# Allegro board 1156197-TDI_VU3P_QSFP28_CXP_V001_1023A-166-20241121_1644_PCB.brd (continued)
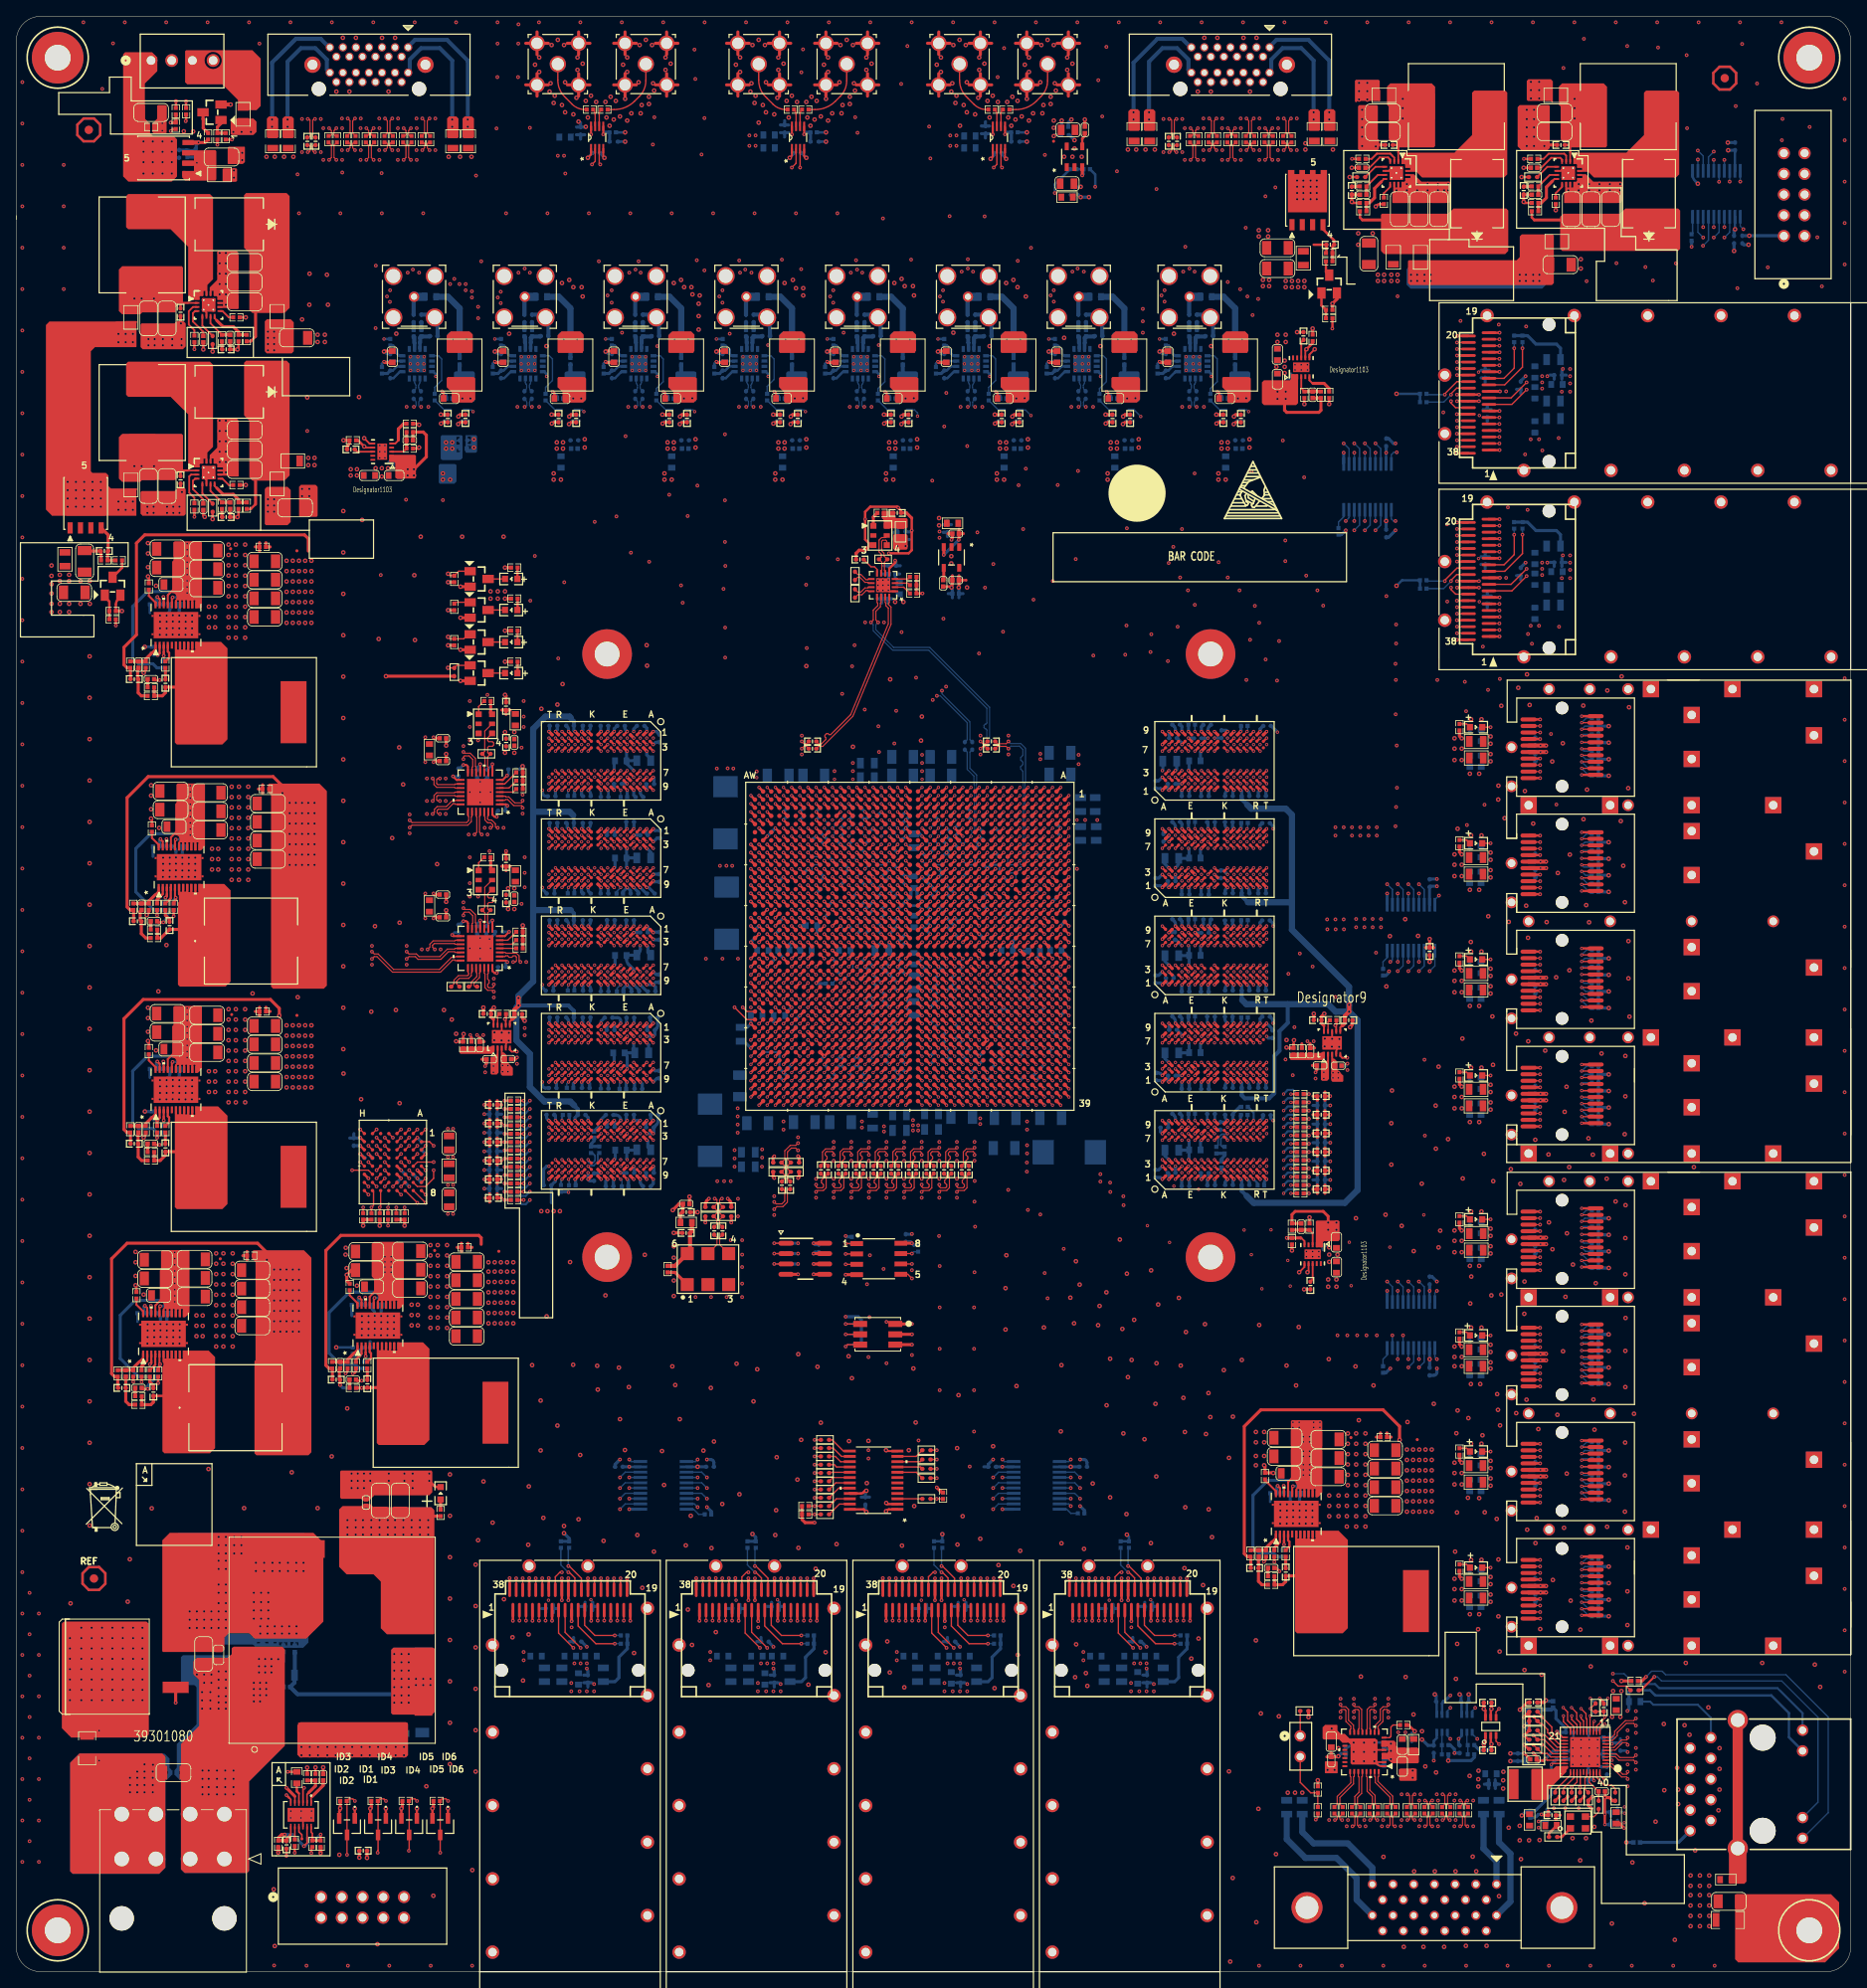
[diagram p0: board, top side]
## Placement (name value [footprint] x y rotation side) (continued)
C97  0.1UF  [C0402_BGA]  103.11 140.86 180 bottom
C98  0.1UF  [C0402_BGA]  100.1 139.86 180 bottom
C99  0.1UF  [C0402_BGA]  100.1 140.86 180 bottom
C100  0.1UF  [C0402_BGA]  107.11 139.86 180 bottom
C101  0.1UF  [C0402_BGA]  107.11 140.86 180 bottom
C102  0.1UF  [C0402_BGA]  113.1 139.86 180 bottom
C103  0.1UF  [C0402_BGA]  117.25 150.46 90 bottom
C104  0.1UF  [C0402_BGA]  113.1 140.86 180 bottom
C105  0.1UF  [C0402_BGA]  116.35 150.46 90 bottom
C106  470uF  [CT7343]  129.16 100.58 0 bottom
C107  470uF  [CT7343]  85.09 103.28 270 bottom
C108  470uF  [CT7343]  87.12 129.92 90 bottom
C109  470uF  [CT7343]  87 142.24 270 bottom
C110  100UF  [C1206]  90.93 104.14 0 bottom
C111  100UF  [C1206]  88.77 108.71 90 bottom
C112  100UF  [C1206]  121.16 101.09 180 bottom
C113  100UF  [C1206]  113.41 149.1 0 bottom
C114  100UF  [C1206]  113.41 146.81 0 bottom
C115  100UF  [C1206]  108.71 146.81 180 bottom
C116  100UF  [C1206]  108.71 149.1 180 bottom
C117  4.7UF  [C0402_BGA]  104.6 139.35 90 bottom
C118  4.7UF  [C0402_BGA]  106.6 112.36 270 bottom
C119  4.7UF  [C0402_BGA]  115.6 112.37 270 bottom
C120  4.7UF  [C0402_BGA]  102.6 111.36 270 bottom
C121  4.7UF  [C0402_BGA]  107.6 138.36 270 bottom
C122  47uF  [C0805]  110.1 138.81 270 bottom
C123  100UF  [C1206]  101.09 104.27 180 bottom
C124  100UF  [C1206]  115.95 104.9 180 bottom
C125  100UF  [C1206]  128.02 146.94 0 bottom
C126  100UF  [C1206]  128.02 149.61 0 bottom
C127  100UF  [C1206]  97.82 146.81 180 bottom
C128  100UF  [C1206]  126.87 104.78 0 bottom
C129  100UF  [C1206]  93.45 146.81 0 bottom
C130  100UF  [C1206]  96.65 104.27 0 bottom
C131  100UF  [C1206]  121.28 104.78 180 bottom
C132  4.7UF  [C0402_BGA]  116.6 112.33 90 bottom
C133  4.7UF  [C0402_BGA]  115.6 140.33 90 bottom
C134  4.7UF  [C0402_BGA]  103.1 138.86 180 bottom
C135  4.7UF  [C0402_BGA]  103.6 111.36 270 bottom
C136  4.7UF  [C0402_BGA]  112.6 112.36 270 bottom
C137  47uF  [C0805]  110.1 121.41 90 bottom
C138  47uF  [C0805]  106.17 125.36 0 bottom
C139  4.7UF  [C0402_BGA]  113.6 134.36 270 bottom
C140  4.7UF  [C0402_BGA]  107.6 128.36 90 bottom
C141  4.7UF  [C0402_BGA]  111.6 123.35 90 bottom
C142  4.7UF  [C0402_BGA]  107.6 132.36 90 bottom
C143  4.7UF  [C0402_BGA]  113.6 123.35 90 bottom
C144  4.7UF  [C0402_BGA]  112.6 132.35 270 bottom
C145  4.7UF  [C0402_BGA]  104.6 134.36 90 bottom
C146  4.7UF  [C0402_BGA]  114.6 132.35 270 bottom
C147  4.7UF  [C0402_BGA]  113.6 130.36 270 bottom
C148  4.7UF  [C0402_BGA]  108.6 134.36 90 bottom
C149  4.7UF  [C0402_BGA]  93.6 110.36 270 bottom
C150  4.7UF  [C0402_BGA]  124.1 109.86 180 bottom
C151  4.7UF  [C0402_BGA]  117.6 110.36 270 bottom
C152  4.7UF  [C0402_BGA]  107.6 110.36 90 bottom
C153  4.7UF  [C0402_BGA]  102.6 109.36 270 bottom
C154  4.7UF  [C0402_BGA]  100.6 109.36 270 bottom
C155  4.7UF  [C0402_BGA]  96.6 110.36 270 bottom
C156  4.7UF  [C0402_BGA]  114.6 141.35 90 bottom
C157  4.7UF  [C0402_BGA]  122.6 141.35 90 bottom
C158  4.7UF  [C0402_BGA]  96.6 142.35 90 bottom
C159  0.47UF  [C0402_BGA]  112.6 110.36 270 bottom
C160  0.47UF  [C0402_BGA]  127.13 112.86 180 bottom
C161  0.47UF  [C0402_BGA]  98.6 110.36 270 bottom
C162  0.47UF  [C0402_BGA]  112.6 142.35 90 bottom
C163  0.47UF  [C0402_BGA]  120.6 141.35 90 bottom
C164  0.47UF  [C0402_BGA]  127.6 140.35 90 bottom
C165  0.47UF  [C0402_BGA]  94.6 142.35 90 bottom
C166  0.47UF  [C0402_BGA]  101.6 142.35 90 bottom
C167  0.47UF  [C0402_BGA]  98.6 142.35 90 bottom
C168  0.47UF  [C0402_BGA]  102.6 142.35 90 bottom
C169  0.22UF  [C0402_BGA]  125.6 139.35 90 bottom
C170  0.22UF  [C0402_BGA]  120.6 110.36 90 bottom
C171  0.22UF  [C0402_BGA]  114.6 110.36 90 bottom
C172  0.22UF  [C0402_BGA]  124.6 141.36 270 bottom
C173  0.22UF  [C0402_BGA]  125.6 110.35 90 bottom
C174  0.22UF  [C0402_BGA]  94.6 110.36 270 bottom
C175  0.22UF  [C0402_BGA]  116.6 142.35 270 bottom
C176  0.22UF  [C0402_BGA]  118.6 141.36 270 bottom
C177  0.22UF  [C0402_BGA]  106.6 110.36 90 bottom
C178  0.22UF  [C0402_BGA]  118.6 110.36 90 bottom
C179  0.47UF  [C0402_BGA]  111.6 134.36 90 bottom
C180  0.47UF  [C0402_BGA]  106.6 123.35 90 bottom
C181  0.47UF  [C0402_BGA]  105.6 132.36 90 bottom
C182  0.47UF  [C0402_BGA]  112.6 121.35 90 bottom
C183  0.47UF  [C0402_BGA]  105.11 136.86 180 bottom
C184  0.47UF  [C0402_BGA]  106.6 134.36 270 bottom
C185  0.47UF  [C0402_BGA]  108.6 123.35 90 bottom
C186  0.47UF  [C0402_BGA]  114.6 128.35 270 bottom
C187  0.47UF  [C0402_BGA]  112.6 128.35 90 bottom
C188  0.47UF  [C0402_BGA]  104.6 123.36 90 bottom
C189  4.7UF  [C0402_BGA]  100.1 138.86 0 bottom
C190  4.7UF  [C0402_BGA]  103.6 109.39 270 bottom
C191  4.7UF  [C0402_BGA]  119.6 110.36 270 bottom
C192  4.7UF  [C0402_BGA]  117.6 112.36 270 bottom
C193  4.7UF  [C0402_BGA]  104.6 110.36 270 bottom
C194  4.7UF  [C0402_BGA]  108.6 112.36 270 bottom
C195  4.7UF  [C0402_BGA]  101.6 111.35 270 bottom
C196  4.7UF  [C0402_BGA]  98.6 139.36 270 bottom
C197  4.7UF  [C0402_BGA]  99.6 110.36 270 bottom
C198  4.7UF  [C0402_BGA]  104.6 112.35 90 bottom
C199  0.47UF  [C0402_BGA]  118.6 112.36 270 bottom
C200  0.47UF  [C0402_BGA]  108.6 141.35 90 bottom
C201  0.47UF  [C0402_BGA]  118.6 139.35 90 bottom
C202  0.47UF  [C0402_BGA]  100.6 111.35 270 bottom
C203  0.47UF  [C0402_BGA]  114.6 112.37 90 bottom
C204  0.47UF  [C0402_BGA]  108.6 139.35 90 bottom
C205  0.47UF  [C0402_BGA]  119.6 112.36 90 bottom
C206  0.47UF  [C0402_BGA]  108.6 110.36 270 bottom
C207  0.47UF  [C0402_BGA]  99.1 111.86 180 bottom
C208  0.47UF  [C0402_BGA]  105.6 139.35 90 bottom
C209  0.22UF  [C0402_BGA]  105.11 141.86 180 bottom
C210  0.22UF  [C0402_BGA]  101.6 140.35 270 bottom
C211  0.22UF  [C0402_BGA]  103.6 142.35 270 bottom
C212  0.22UF  [C0402_BGA]  109.6 141.35 90 bottom
C213  0.22UF  [C0402_BGA]  120.6 139.35 90 bottom
C214  0.22UF  [C0402_BGA]  101.6 138.36 90 bottom
C215  0.22UF  [C0402_BGA]  114.6 139.36 270 bottom
C216  0.22UF  [C0402_BGA]  113.6 112.37 90 bottom
C217  0.22UF  [C0402_BGA]  105.6 112.36 90 bottom
C218  0.22UF  [C0402_BGA]  119.6 139.35 90 bottom
C219  47uF  [C0805]  110.1 118.24 90 bottom
C220  47uF  [C0805]  112.27 103.38 0 bottom
C221  4.7UF  [C0402_BGA]  115.6 114.36 90 bottom
C222  4.7UF  [C0402_BGA]  112.6 119.36 90 bottom
C223  4.7UF  [C0402_BGA]  113.6 114.35 90 bottom
C224  4.7UF  [C0402_BGA]  107.6 116.35 90 bottom
C225  0.47UF  [C0402_BGA]  114.6 119.36 270 bottom
C226  0.47UF  [C0402_BGA]  104.6 114.36 90 bottom
C227  0.47UF  [C0402_BGA]  105.6 116.35 90 bottom
C228  0.47UF  [C0402_BGA]  104.6 119.35 90 bottom
C229  47uF  [C0805]  112.27 105.28 0 bottom
C230  47uF  [C0805]  108.33 105.16 180 bottom
C231  4.7UF  [C0402_BGA]  106.6 114.35 90 bottom
C232  4.7UF  [C0402_BGA]  108.6 114.35 90 bottom
C233  4.7UF  [C0402_BGA]  106.6 119.36 90 bottom
C234  4.7UF  [C0402_BGA]  112.6 116.36 270 bottom
C235  47uF  [C0805]  105.03 104.39 90 bottom
C236  4.7UF  [C0402_BGA]  65.41 120.4 180 bottom
C237  0.1UF  [C0402_BGA]  76.99 127.56 180 bottom
C238  47uF  [C0805]  76.96 124.76 180 bottom
C239  22uF  [C0603]  74.14 124.74 0 bottom
C240  4.7UF  [C0402_BGA]  78.87 110.11 90 bottom
C241  4.7UF  [C0402_BGA]  69.98 120.4 0 bottom
C242  0.47UF  [C0402_BGA]  65.89 129.06 180 bottom
C243  0.47UF  [C0402_BGA]  72.92 129.08 180 bottom
C244  0.47UF  [C0402_BGA]  78.87 127.13 270 bottom
C245  0.47UF  [C0402_BGA]  72.16 120.32 0 bottom
C246  68nF  [C0402_BGA]  75.29 129.06 180 bottom
C247  68nF  [C0402_BGA]  72.9 115.57 180 bottom
C248  68nF  [C0402_BGA]  69.95 129.06 0 bottom
C249  68nF  [C0402_BGA]  75.92 120.32 180 bottom
C250  0.1UF  [C0402_BGA]  67.92 129.06 180 bottom
C251  47uF  [C0805]  76.96 136.7 180 bottom
C252  22uF  [C0603]  74.14 136.68 0 bottom
C253  4.7UF  [C0402_BGA]  69.98 132.33 0 bottom
C254  4.7UF  [C0402_BGA]  75.82 132.33 180 bottom
C255  0.47UF  [C0402_BGA]  72.14 132.33 0 bottom
C256  0.47UF  [C0402_BGA]  72.92 139.5 180 bottom
C257  0.47UF  [C0402_BGA]  65.89 141 180 bottom
C258  0.47UF  [C0402_BGA]  78.97 139.6 270 bottom
C259  68nF  [C0402_BGA]  77.83 132.33 180 bottom
C260  68nF  [C0402_BGA]  75.29 141.12 180 bottom
C261  68nF  [C0402_BGA]  78.87 134.24 90 bottom
C262  68nF  [C0402_BGA]  69.95 141 0 bottom
C263  4.7UF  [C0402_BGA]  65.53 132.33 180 bottom
C264  0.1UF  [C0402_BGA]  76.99 139.5 180 bottom
C265  0.1UF  [C0402_BGA]  67.92 141 180 bottom
C266  47uF  [C0805]  76.96 100.89 180 bottom
C267  22uF  [C0603]  74.17 100.84 0 bottom
C268  4.7UF  [C0402_BGA]  77.72 98.04 0 bottom
C269  4.7UF  [C0402_BGA]  70.87 97.54 270 bottom
C270  0.47UF  [C0402_BGA]  65.51 105.18 180 bottom
C271  0.47UF  [C0402_BGA]  72.92 103.68 180 bottom
C272  0.47UF  [C0402_BGA]  72.77 96.39 180 bottom
C273  0.47UF  [C0402_BGA]  78.28 105.18 0 bottom
C274  68nF  [C0402_BGA]  77.34 96.39 180 bottom
C275  68nF  [C0402_BGA]  72.77 105.16 0 bottom
C276  68nF  [C0402_BGA]  75.31 98.04 0 bottom
C277  68nF  [C0402_BGA]  75.29 105.18 180 bottom
C278  4.7UF  [C0402_BGA]  65.15 96.52 180 bottom
C279  0.1UF  [C0402_BGA]  77.72 103.63 0 bottom
C280  4.7UF  [C0402_BGA]  65.66 144.27 180 bottom
C281  0.1UF  [C0402_BGA]  76.58 152.91 180 bottom
C282  0.1UF  [C0402_BGA]  69.34 105.16 0 bottom
C283  0.1UF  [C0402_BGA]  67.92 152.93 180 bottom
C284  47uF  [C0805]  76.96 148.64 180 bottom
C285  22uF  [C0603]  74.14 148.62 0 bottom
C286  4.7UF  [C0402_BGA]  69.98 144.27 0 bottom
C287  4.7UF  [C0402_BGA]  77.75 145.77 0 bottom
C288  0.47UF  [C0402_BGA]  72.14 152.91 0 bottom
C289  0.47UF  [C0402_BGA]  72.16 144.2 0 bottom
C290  0.47UF  [C0402_BGA]  78.87 151.38 270 bottom
C291  0.47UF  [C0402_BGA]  65.89 152.93 180 bottom
C292  68nF  [C0402_BGA]  73.79 145.8 0 bottom
C293  68nF  [C0402_BGA]  76.43 144.17 0 bottom
C294  68nF  [C0402_BGA]  74.17 152.91 0 bottom
C295  68nF  [C0402_BGA]  69.95 152.93 0 bottom
C296  47uF  [C0805]  76.71 112.78 180 bottom
C297  22uF  [C0603]  73.91 112.78 0 bottom
C298  4.7UF  [C0402_BGA]  77.93 120.32 180 bottom
C299  4.7UF  [C0402_BGA]  69.85 108.46 0 bottom
C300  0.47UF  [C0402_BGA]  65.89 117.12 180 bottom
C301  0.47UF  [C0402_BGA]  72.64 117.09 0 bottom
C302  0.47UF  [C0402_BGA]  72.16 108.38 0 bottom
C303  0.47UF  [C0402_BGA]  78.2 117.12 0 bottom
C304  68nF  [C0402_BGA]  76.3 108.36 0 bottom
C305  68nF  [C0402_BGA]  69.95 117.12 0 bottom
C306  68nF  [C0402_BGA]  78.87 121.92 90 bottom
C307  68nF  [C0402_BGA]  75.31 117.09 180 bottom
C308  4.7UF  [C0402_BGA]  58.52 105.26 180 bottom
C309  4.7UF  [C0402_BGA]  58.52 102.97 180 bottom
C310  4.7UF  [C0402_BGA]  58.52 106.4 180 top
C311  4.7UF  [C0402_BGA]  58.52 97.26 180 top
C312  0.1UF  [C0402_BGA]  58.52 94.97 180 top
C313  4.7UF  [C0402_BGA]  57.76 117.55 0 top
C314  0.1UF  [C0402_BGA]  58.52 98.4 180 bottom
C315  1000PF  [C0402]  56.85 113.74 270 top
C316  0.1UF  [C0402_BGA]  58.52 104.11 180 top
C317  0.1UF  [C0402_BGA]  58.52 96.11 180 bottom
C318  0.1UF  [C0402_BGA]  58.52 100.69 180 bottom
C319  0.1UF  [C0402_BGA]  58.52 101.83 180 top
C320  0.1UF  [C0402_BGA]  58.52 99.54 180 top
C321  10uF  [C0402]  60.3 111.96 0 bottom
C322  10uF  [C0402]  60.3 112.01 0 top
C323  10uF  [C0402]  58.06 111.99 180 bottom
C324  10uF  [C0402]  58.06 111.99 180 top
C325  4.7UF  [C0402_BGA]  65.79 108.46 180 bottom
C326  0.1UF  [C0402_BGA]  77.85 115.57 0 bottom
C327  0.1UF  [C0402_BGA]  61.57 117.55 0 top
C328  0.1UF  [C0402_BGA]  67.92 117.12 180 bottom
C329  10nF  [C0402]  70.87 102.74 90 bottom
C330  4.7UF  [C0402_BGA]  153.29 129.03 0 bottom
C331  0.1UF  [C0402_BGA]  141.48 121.95 0 bottom
C332  47uF  [C0805]  141.73 124.71 0 bottom
C333  22uF  [C0603]  144.55 124.74 180 bottom
C334  4.7UF  [C0402_BGA]  148.72 129.03 180 bottom
C335  4.7UF  [C0402_BGA]  142.11 127.13 270 bottom
C336  0.47UF  [C0402_BGA]  145.77 120.27 0 bottom
C337  0.47UF  [C0402_BGA]  139.73 121.82 90 bottom
C338  0.47UF  [C0402_BGA]  145.8 127.51 0 bottom
C339  0.47UF  [C0402_BGA]  152.81 120.42 0 bottom
C340  68nF  [C0402_BGA]  148.74 120.42 180 bottom
C341  68nF  [C0402_BGA]  143.41 120.29 0 bottom
C342  68nF  [C0402_BGA]  142.27 129.18 180 bottom
C343  68nF  [C0402_BGA]  146.08 129.16 0 bottom
C344  0.1UF  [C0402_BGA]  150.77 120.42 0 bottom
C345  47uF  [C0805]  141.73 136.65 0 bottom
C346  22uF  [C0603]  144.55 136.68 180 bottom
C347  4.7UF  [C0402_BGA]  140.69 139.17 270 bottom
C348  4.7UF  [C0402_BGA]  148.72 141.1 180 bottom
C349  0.47UF  [C0402_BGA]  145.8 132.21 0 bottom
C350  0.47UF  [C0402_BGA]  146.53 141.1 180 bottom
C351  0.47UF  [C0402_BGA]  139.73 133.76 90 bottom
C352  0.47UF  [C0402_BGA]  152.81 132.36 0 bottom
C353  68nF  [C0402_BGA]  142.27 141.12 180 bottom
C354  68nF  [C0402_BGA]  143.41 132.23 0 bottom
C355  68nF  [C0402_BGA]  148.74 132.36 180 bottom
C356  68nF  [C0402_BGA]  147.75 134.69 90 bottom
C357  4.7UF  [C0402_BGA]  153.29 140.97 0 bottom
C358  0.1UF  [C0402_BGA]  141.71 133.86 0 bottom
C359  0.1UF  [C0402_BGA]  150.77 132.36 0 bottom
C360  47uF  [C0805]  141.73 112.78 0 bottom
C361  22uF  [C0603]  144.55 112.8 180 bottom
C362  4.7UF  [C0402_BGA]  141.88 115.6 0 bottom
C363  4.7UF  [C0402_BGA]  148.72 117.22 180 bottom
C364  0.47UF  [C0402_BGA]  152.81 108.48 0 bottom
C365  0.47UF  [C0402_BGA]  146.53 117.22 180 bottom
C366  0.47UF  [C0402_BGA]  145.8 108.33 0 bottom
C367  0.47UF  [C0402_BGA]  139.83 109.86 90 bottom
C368  68nF  [C0402_BGA]  142.27 117.25 180 bottom
C369  68nF  [C0402_BGA]  148.74 108.48 180 bottom
C370  68nF  [C0402_BGA]  154.08 115.06 270 bottom
C371  68nF  [C0402_BGA]  143.41 108.36 0 bottom
C372  4.7UF  [C0402_BGA]  153.29 117.22 0 bottom
C373  0.1UF  [C0402_BGA]  141.73 109.98 0 bottom
C374  4.7UF  [C0402_BGA]  153.42 152.91 0 bottom
C375  0.1UF  [C0402_BGA]  141.71 145.8 0 bottom
C376  0.1UF  [C0402_BGA]  150.77 108.48 0 bottom
C377  0.1UF  [C0402_BGA]  150.77 144.3 0 bottom
C378  47uF  [C0805]  141.48 148.59 180 bottom
C379  22uF  [C0603]  144.55 148.62 180 bottom
C380  4.7UF  [C0402_BGA]  141.88 151.41 0 bottom
C381  4.7UF  [C0402_BGA]  147.83 151.89 90 bottom
C382  0.47UF  [C0402_BGA]  139.73 145.69 90 bottom
C383  0.47UF  [C0402_BGA]  144.91 151.38 180 bottom
C384  0.47UF  [C0402_BGA]  152.81 144.3 0 bottom
C385  0.47UF  [C0402_BGA]  145.8 144.27 0 bottom
C386  68nF  [C0402_BGA]  148.74 144.3 180 bottom
C387  68nF  [C0402_BGA]  142.27 153.06 180 bottom
C388  68nF  [C0402_BGA]  146.05 153.03 0 bottom
C389  68nF  [C0402_BGA]  143.41 144.3 0 bottom
C390  47uF  [C0805]  141.73 100.84 0 bottom
C391  22uF  [C0603]  144.55 100.86 180 bottom
C392  4.7UF  [C0402_BGA]  140.82 103.61 180 bottom
C393  4.7UF  [C0402_BGA]  148.74 105.18 180 bottom
C394  0.47UF  [C0402_BGA]  146.53 105.28 180 bottom
C395  0.47UF  [C0402_BGA]  145.77 98.04 0 bottom
C396  0.47UF  [C0402_BGA]  146.56 96.52 180 bottom
C397  0.47UF  [C0402_BGA]  139.73 97.94 90 bottom
C398  68nF  [C0402_BGA]  143.41 96.42 0 bottom
C399  68nF  [C0402_BGA]  142.27 105.31 180 bottom
C400  68nF  [C0402_BGA]  147.7 103.81 90 bottom
C401  68nF  [C0402_BGA]  148.74 96.55 180 bottom
C402  4.7UF  [C0402_BGA]  160.05 105.18 0 top
C403  4.7UF  [C0402_BGA]  160.05 96.04 0 top
C404  4.7UF  [C0402_BGA]  160.05 99.47 0 bottom
C405  4.7UF  [C0402_BGA]  160.05 97.18 0 bottom
C406  0.1UF  [C0402_BGA]  160.05 101.75 0 bottom
C407  4.7UF  [C0402_BGA]  159.61 116.79 0 top
C408  0.1UF  [C0402_BGA]  160.05 106.32 0 bottom
C409  1000PF  [C0402]  158.7 112.98 270 top
C410  0.1UF  [C0402_BGA]  160.05 104.04 0 bottom
C411  0.1UF  [C0402_BGA]  160.05 100.61 0 top
C412  0.1UF  [C0402_BGA]  160.05 107.47 0 top
C413  0.1UF  [C0402_BGA]  160.05 102.9 0 top
C414  0.1UF  [C0402_BGA]  160.05 98.32 0 top
C415  10uF  [C0402]  162.15 111.2 0 bottom
C416  10uF  [C0402]  162.15 111.2 0 top
C417  10uF  [C0402]  159.92 111.23 180 bottom
C418  10uF  [C0402]  159.92 111.23 180 top
C419  4.7UF  [C0402_BGA]  153.39 105.13 0 bottom
C420  0.1UF  [C0402_BGA]  141.71 98.04 0 bottom
C421  0.1UF  [C0402_BGA]  163.42 116.79 0 top
C422  0.1UF  [C0402_BGA]  150.77 96.55 0 bottom
C423  10nF  [C0402]  147.83 99.09 270 bottom
C424  0.1UF  [C0402_BGA]  186.31 45.82 270 bottom
C425  22uF  [C0603]  179.66 62.85 90 bottom
C426  0.1UF  [C0402_BGA]  186.31 62.09 90 bottom
C427  22uF  [C0603]  178.29 88.15 270 bottom
C428  0.1UF  [C0402_BGA]  178.26 48.5 90 bottom
C429  22uF  [C0603]  179.66 48.63 90 bottom
C430  0.1UF  [C0402_BGA]  186.31 47.84 90 bottom
C431  22uF  [C0603]  179.66 45.46 270 bottom
C432  22uF  [C0603]  178.26 73.9 270 bottom
C433  0.1UF  [C0402_BGA]  178.29 91.2 90 bottom
C434  22uF  [C0603]  179.66 59.68 270 bottom
C435  0.1UF  [C0402_BGA]  186.31 60.06 270 bottom
C436  0.1UF  [C0402_BGA]  173.35 73.66 270 bottom
C437  0.1UF  [C0402_BGA]  173.35 84.84 90 bottom
C438  22uF  [C0603]  178.26 59.68 270 bottom
C439  0.1UF  [C0402_BGA]  178.26 76.95 90 bottom
C440  22uF  [C0603]  179.66 77.08 90 bottom
C441  0.1UF  [C0402_BGA]  186.31 76.34 90 bottom
C442  22uF  [C0603]  179.66 73.9 270 bottom
C443  0.1UF  [C0402_BGA]  186.31 74.31 270 bottom
C444  22uF  [C0603]  178.26 45.46 270 bottom
C445  0.1UF  [C0402_BGA]  178.26 62.73 90 bottom
C446  22uF  [C0603]  179.69 91.33 90 bottom
C447  0.1UF  [C0402_BGA]  186.31 90.59 90 bottom
C448  22uF  [C0603]  179.69 88.15 270 bottom
C449  0.1UF  [C0402_BGA]  186.31 88.57 270 bottom
C450  22uF  [C0603]  178.26 134.31 270 bottom
C451  0.1UF  [C0402_BGA]  178.26 123.13 90 bottom
C452  22uF  [C0603]  179.66 109.04 90 bottom
C453  22uF  [C0603]  178.26 120.09 270 bottom
C454  0.1UF  [C0402_BGA]  186.31 122.5 90 bottom
C455  0.1UF  [C0402_BGA]  186.31 108.25 90 bottom
C456  22uF  [C0603]  179.66 105.86 270 bottom
C457  0.1UF  [C0402_BGA]  186.31 106.22 270 bottom
C458  0.1UF  [C0402_BGA]  178.29 151.61 90 bottom
C459  22uF  [C0603]  179.66 123.26 90 bottom
C460  0.1UF  [C0402_BGA]  173.35 125.22 90 top
C461  0.1UF  [C0402_BGA]  173.35 133.6 90 bottom
C462  22uF  [C0603]  179.66 120.09 270 bottom
C463  0.1UF  [C0402_BGA]  186.31 120.47 270 bottom
C464  22uF  [C0603]  178.29 148.56 270 bottom
C465  0.1UF  [C0402_BGA]  178.26 137.36 90 bottom
C466  22uF  [C0603]  179.66 137.49 90 bottom
C467  0.1UF  [C0402_BGA]  186.31 136.75 90 bottom
C468  22uF  [C0603]  179.66 134.31 270 bottom
C469  0.1UF  [C0402_BGA]  186.31 134.72 270 bottom
C470  22uF  [C0603]  178.26 105.86 270 bottom
C471  0.1UF  [C0402_BGA]  178.26 108.91 90 bottom
C472  22uF  [C0603]  179.69 151.74 90 bottom
C473  0.1UF  [C0402_BGA]  186.31 151 90 bottom
C474  22uF  [C0603]  179.69 148.56 270 bottom
C475  0.1UF  [C0402_BGA]  186.31 148.97 270 bottom
C476  22uF  [C0603]  188.98 194.82 180 bottom
C477  0.1UF  [C0402_BGA]  189.1 195.96 180 bottom
C478  22uF  [C0603]  186.26 193.8 90 bottom
C479  0.1UF  [C0402_BGA]  184.53 194.69 90 bottom
C480  22uF  [C0603]  186.26 196.34 270 bottom
C481  0.1UF  [C0402_BGA]  180.17 196.08 90 bottom
C482  0.1UF  [C0402_BGA]  168.02 176.53 270 bottom
C483  22uF  [C0603]  186.26 189.61 270 bottom
C484  0.1UF  [C0402_BGA]  180.43 191.26 270 bottom
C485  0.1UF  [C0402_BGA]  168.02 187.71 90 bottom
C486  22uF  [C0603]  188.98 171.83 180 bottom
C487  0.1UF  [C0402_BGA]  189.1 172.97 180 bottom
C488  22uF  [C0603]  186.26 170.91 90 bottom
C489  0.1UF  [C0402_BGA]  184.53 171.83 90 bottom
C490  22uF  [C0603]  186.26 173.45 270 bottom
C491  0.1UF  [C0402_BGA]  180.17 173.2 90 bottom
C492  22uF  [C0603]  186.26 166.72 270 bottom
C493  0.1UF  [C0402_BGA]  180.43 168.38 270 bottom
C494  22uF  [C0603]  68.96 35.94 90 bottom
C495  0.1UF  [C0402_BGA]  70.1 35.94 90 bottom
C496  22uF  [C0603]  67.94 38.73 0 bottom
C497  0.1UF  [C0402_BGA]  68.83 40.52 0 bottom
C498  22uF  [C0603]  70.48 38.73 180 bottom
C499  0.1UF  [C0402_BGA]  70.23 44.83 0 bottom
C500  0.1UF  [C0402_BGA]  85.09 61.98 0 bottom
C501  22uF  [C0603]  63.75 38.73 180 bottom
C502  0.1UF  [C0402_BGA]  65.41 44.57 180 bottom
C503  0.1UF  [C0402_BGA]  73.91 61.98 180 bottom
C504  22uF  [C0603]  91.82 35.94 90 bottom
C505  0.1UF  [C0402_BGA]  92.96 35.94 90 bottom
C506  22uF  [C0603]  90.83 38.73 0 bottom
C507  0.1UF  [C0402_BGA]  91.82 40.52 0 bottom
C508  22uF  [C0603]  93.37 38.73 180 bottom
C509  0.1UF  [C0402_BGA]  93.12 44.83 0 bottom
C510  22uF  [C0603]  86.64 38.73 180 bottom
C511  0.1UF  [C0402_BGA]  88.29 44.57 180 bottom
C512  22uF  [C0603]  114.68 36.07 90 bottom
C513  0.1UF  [C0402_BGA]  115.82 35.94 90 bottom
C514  22uF  [C0603]  113.72 38.73 0 bottom
C515  0.1UF  [C0402_BGA]  114.68 40.52 0 bottom
C516  0.1UF  [C0402_BGA]  116 44.83 0 bottom
C517  22uF  [C0603]  116.26 38.73 180 bottom
C518  0.1UF  [C0402_BGA]  130.86 61.98 0 bottom
C519  0.1UF  [C0402_BGA]  119.68 61.98 180 bottom
C520  22uF  [C0603]  109.52 38.73 180 bottom
C521  0.1UF  [C0402_BGA]  111.18 44.57 180 bottom
C522  22uF  [C0603]  137.54 36.07 90 bottom
C523  0.1UF  [C0402_BGA]  138.68 35.94 90 bottom
C524  22uF  [C0603]  136.6 38.73 0 bottom
C525  0.1UF  [C0402_BGA]  137.41 40.52 0 bottom
C526  22uF  [C0603]  139.14 38.73 180 bottom
C527  0.1UF  [C0402_BGA]  138.89 44.83 0 bottom
C528  22uF  [C0603]  132.41 38.73 180 bottom
C529  0.1UF  [C0402_BGA]  134.06 44.57 180 bottom
C530  1UF  [C0603]  66.69 193.09 0 top
C531  1UF  [C0603]  53.11 193.09 0 top
C532  10nF  [C0402]  66.69 193.09 0 bottom
C533  1UF  [C0603]  59.71 198.21 270 top
C534  10nF  [C0402]  53.11 193.09 0 bottom
C535  1UF  [C0603]  46.12 198.21 270 top
C536  0.1UF  [C0402_BGA]  66.51 190.64 270 top
C537  0.1UF  [C0402_BGA]  59.46 198.09 270 bottom
C538  0.1UF  [C0402_BGA]  68.68 190.64 90 top
C539  0.1UF  [C0402_BGA]  45.87 198.09 270 bottom
C540  0.1UF  [C0402_BGA]  55.09 190.64 90 top
C541  0.1UF  [C0402_BGA]  52.92 190.64 270 top
C542  4.7UF  [C0402_BGA]  59.46 196.05 270 bottom
C543  4.7UF  [C0402_BGA]  45.87 196.05 270 bottom
C544  0.1UF  [C0402_BGA]  62.32 202.91 270 bottom
C545  0.1UF  [C0402_BGA]  62.33 193.51 270 bottom
C546  0.1UF  [C0402_BGA]  63.26 202.91 270 bottom
C547  0.1UF  [C0402_BGA]  63.22 193.51 270 bottom
C548  0.1UF  [C0402_BGA]  48.74 202.91 270 bottom
C549  0.1UF  [C0402_BGA]  48.74 193.51 270 bottom
C550  0.1UF  [C0402_BGA]  49.68 202.91 270 bottom
C551  0.1UF  [C0402_BGA]  49.63 193.51 270 bottom
C552  0.7pF  [C0402_BGA]  64.79 200.75 180 bottom
C553  0.7pF  [C0402_BGA]  51.2 200.75 180 bottom
C554  1UF  [C0603]  93.87 193.09 0 top
C555  1UF  [C0603]  80.28 193.09 0 top
C556  10nF  [C0402]  93.87 193.09 0 bottom
C557  1UF  [C0603]  86.89 198.21 270 top
C558  10nF  [C0402]  80.28 193.09 0 bottom
C559  1UF  [C0603]  73.3 198.21 270 top
C560  0.1UF  [C0402_BGA]  93.69 190.64 270 top
C561  0.1UF  [C0402_BGA]  86.64 198.09 270 bottom
C562  0.1UF  [C0402_BGA]  73.05 198.09 270 bottom
C563  0.1UF  [C0402_BGA]  95.86 190.64 90 top
C564  0.1UF  [C0402_BGA]  82.27 190.64 90 top
C565  0.1UF  [C0402_BGA]  80.1 190.64 270 top
C566  4.7UF  [C0402_BGA]  86.64 196.05 270 bottom
C567  4.7UF  [C0402_BGA]  73.05 196.05 270 bottom
C568  0.1UF  [C0402_BGA]  89.5 202.91 270 bottom
C569  0.1UF  [C0402_BGA]  89.51 193.51 270 bottom
C570  0.1UF  [C0402_BGA]  90.44 202.91 270 bottom
C571  0.1UF  [C0402_BGA]  90.4 193.51 270 bottom
C572  0.1UF  [C0402_BGA]  75.91 202.91 270 bottom
C573  0.1UF  [C0402_BGA]  75.92 193.51 270 bottom
C574  0.1UF  [C0402_BGA]  76.85 202.91 270 bottom
C575  0.1UF  [C0402_BGA]  76.81 193.51 270 bottom
C576  0.7pF  [C0402_BGA]  91.97 200.75 180 bottom
C577  0.7pF  [C0402_BGA]  78.38 200.75 180 bottom
C578  1UF  [C0603]  121.05 193.09 0 top
C579  1UF  [C0603]  107.46 193.09 0 top
C580  10nF  [C0402]  121.05 193.09 0 bottom
C581  1UF  [C0603]  114.07 198.21 270 top
C582  10nF  [C0402]  107.46 193.09 0 bottom
C583  1UF  [C0603]  100.48 198.21 270 top
C584  0.1UF  [C0402_BGA]  113.81 198.09 270 bottom
C585  0.1UF  [C0402_BGA]  123.03 190.64 90 top
C586  0.1UF  [C0402_BGA]  100.22 198.09 270 bottom
C587  0.1UF  [C0402_BGA]  107.28 190.64 270 top
C588  0.1UF  [C0402_BGA]  120.87 190.64 270 top
C589  0.1UF  [C0402_BGA]  109.44 190.64 90 top
C590  4.7UF  [C0402_BGA]  113.81 196.05 270 bottom
C591  4.7UF  [C0402_BGA]  100.22 196.05 270 bottom
C592  0.1UF  [C0402_BGA]  116.68 202.91 270 bottom
C593  0.1UF  [C0402_BGA]  116.68 193.51 270 bottom
C594  0.1UF  [C0402_BGA]  117.62 202.91 270 bottom
C595  0.1UF  [C0402_BGA]  117.57 193.51 270 bottom
C596  0.1UF  [C0402_BGA]  103.09 202.91 270 bottom
C597  0.1UF  [C0402_BGA]  103.1 193.51 270 bottom
C598  0.1UF  [C0402_BGA]  104.03 202.91 270 bottom
C599  0.1UF  [C0402_BGA]  103.98 193.51 270 bottom
C600  0.7pF  [C0402_BGA]  119.15 200.75 180 bottom
C601  0.7pF  [C0402_BGA]  105.56 200.75 180 bottom
C602  1UF  [C0603]  148.23 193.09 0 top
C603  1UF  [C0603]  134.64 193.09 0 top
C604  10nF  [C0402]  148.23 193.09 0 bottom
C605  1UF  [C0603]  141.24 198.21 270 top
C606  10nF  [C0402]  134.64 193.09 0 bottom
C607  1UF  [C0603]  127.65 198.21 270 top
C608  0.1UF  [C0402_BGA]  140.99 198.09 270 bottom
C609  0.1UF  [C0402_BGA]  136.62 190.64 90 top
C610  0.1UF  [C0402_BGA]  150.21 190.64 90 top
C611  0.1UF  [C0402_BGA]  127.4 198.09 270 bottom
C612  0.1UF  [C0402_BGA]  148.05 190.64 270 top
C613  0.1UF  [C0402_BGA]  134.46 190.64 270 top
C614  4.7UF  [C0402_BGA]  140.99 196.05 270 bottom
C615  4.7UF  [C0402_BGA]  127.4 196.05 270 bottom
C616  0.1UF  [C0402_BGA]  143.86 202.91 270 bottom
C617  0.1UF  [C0402_BGA]  143.86 193.51 270 bottom
C618  0.1UF  [C0402_BGA]  144.8 202.91 270 bottom
C619  0.1UF  [C0402_BGA]  144.75 193.51 270 bottom
C620  0.1UF  [C0402_BGA]  130.27 202.91 270 bottom
C621  0.1UF  [C0402_BGA]  130.27 193.51 270 bottom
C622  0.1UF  [C0402_BGA]  131.21 202.91 270 bottom
C623  0.1UF  [C0402_BGA]  131.16 193.51 270 bottom
C624  0.7pF  [C0402_BGA]  146.33 200.75 180 bottom
C625  0.7pF  [C0402_BGA]  132.74 200.75 180 bottom
C626  0.1UF  [C0402_BGA]  180.47 27.18 180 top
C627  0.1UF  [C0402_BGA]  180.47 33.02 0 top
C628  0.1UF  [C0402_BGA]  184.18 26.32 90 bottom
C629  10uF  [C0402]  186.08 26.07 180 top
C630  0.1UF  [C0402_BGA]  189.38 27.08 0 bottom
C631  0.1UF  [C0402_BGA]  194.72 32.42 90 top
C632  0.1UF  [C0402_BGA]  187.73 18.95 90 bottom
C633  0.1UF  [C0402_BGA]  188.37 19.21 180 top
C634  22uF  [C0603]  180.87 24.29 180 bottom
C635  10PF  [C0402]  194.46 22.13 0 top
C636  10nF  [C0402]  198.75 15.88 0 bottom
C637  10uF  [C0402]  181 23.02 180 bottom
C638  0.1UF  [C0402_BGA]  186.08 33.05 0 top
C639  10uF  [C0402]  195.99 18.06 180 bottom
C640  10uF  [C0402]  195.99 19.59 180 bottom
C641  0.1UF  [C0402_BGA]  195.1 24.67 90 bottom
C642  0.1UF  [C0402_BGA]  193.32 29.75 180 bottom
C643  10uF  [C0402]  195.1 28.73 180 bottom
C644  0.1UF  [C0402_BGA]  196.75 27.59 270 bottom
C645  0.1UF  [C0402_BGA]  192.81 24.03 90 bottom
C646  0.1UF  [C0402_BGA]  195.1 26.7 180 bottom
C647  10uF  [C0402]  185.7 19.33 270 bottom
C648  0.1UF  [C0402_BGA]  189.38 26.07 0 bottom
C649  10uF  [C0402]  188.49 32.8 90 bottom
C650  0.1UF  [C0402_BGA]  190.53 29.37 0 bottom
C651  1000PF  [C0402]  39.73 74.45 270 top
C652  0.1UF  [C0402_BGA]  43.05 72.16 270 top
C653  0.1UF  [C0402_BGA]  39.24 72.67 180 top
C654  4.7UF  [C0805]  43.56 84.07 180 top
C655  1UF  [C0603]  44.75 82.5 270 bottom
C656  100UF  [C1206]  55.24 84.86 180 top
C657  100UF  [C1206]  55.24 82.58 180 top
C658  100UF  [C1206]  55.24 87.12 180 top
C659  100UF  [C1206]  55.24 80.29 180 top
C660  100UF  [C1206]  55.24 78 180 top
C661  1000PF  [C0402]  41.27 72.67 180 top
C662  22UF  [C1206]  48.29 83.87 0 top
C663  22UF  [C1206]  42.93 86.11 180 top
C664  22UF  [C1206]  48.29 88.45 0 top
C665  22UF  [C1206]  42.93 88.39 180 top
C666  22UF  [C1206]  48.29 86.16 0 top
C667  0.1UF  [C0402_BGA]  42.93 76.58 0 bottom
C668  1000PF  [C0402]  14.99 103.4 270 top
C669  0.1UF  [C0402_BGA]  18.29 101.12 270 top
C670  0.1UF  [C0402_BGA]  14.48 101.63 180 top
C671  4.7UF  [C0805]  18.96 113.24 180 top
C672  1UF  [C0603]  19.99 111.46 270 bottom
C673  100UF  [C1206]  30.48 113.82 180 top
C674  100UF  [C1206]  30.48 111.53 180 top
C675  100UF  [C1206]  30.48 116.08 180 top
C676  100UF  [C1206]  30.48 109.25 180 top
C677  1000PF  [C0402]  16.51 101.63 180 top
C678  22UF  [C1206]  23.39 112.83 0 top
C679  22UF  [C1206]  18.54 115.32 180 top
C680  22UF  [C1206]  23.39 117.4 0 top
C681  22UF  [C1206]  18.54 117.6 180 top
C682  22UF  [C1206]  23.39 115.12 0 top
C683  1000PF  [C0402]  13.44 73.43 270 top
C684  0.1UF  [C0402_BGA]  16.81 71.15 270 top
C685  0.1UF  [C0402_BGA]  12.95 71.65 180 top
C686  4.7UF  [C0805]  17.44 83.01 180 top
C687  1UF  [C0603]  18.47 81.48 270 bottom
C688  100UF  [C1206]  28.96 83.85 180 top
C689  100UF  [C1206]  28.96 81.56 180 top
C690  100UF  [C1206]  28.96 86.11 180 top
C691  100UF  [C1206]  28.96 79.27 180 top
C692  1000PF  [C0402]  14.99 71.65 180 top
C693  22UF  [C1206]  21.87 82.86 0 top
C694  22UF  [C1206]  17.02 85.09 180 top
C695  22UF  [C1206]  21.87 87.43 0 top
C696  22UF  [C1206]  17.02 87.38 180 top
C697  22UF  [C1206]  21.87 85.14 0 top
C698  1000PF  [C0402]  152.4 51.33 270 top
C699  0.1UF  [C0402_BGA]  155.7 49.05 270 top
C700  0.1UF  [C0402_BGA]  151.89 49.56 180 top
C701  4.7UF  [C0805]  155.99 61.17 180 top
C702  1UF  [C0603]  157.4 59.39 270 bottom
C703  100UF  [C1206]  167.89 57.18 180 top
C704  100UF  [C1206]  167.89 59.46 180 top
C705  100UF  [C1206]  167.89 64.01 180 top
C706  100UF  [C1206]  167.89 61.75 180 top
C707  1000PF  [C0402]  153.92 49.56 180 top
C708  22UF  [C1206]  155.57 63.25 180 top
C709  22UF  [C1206]  160.93 65.33 0 top
C710  22UF  [C1206]  160.93 63.05 0 top
C711  22UF  [C1206]  155.57 65.53 180 top
C712  22UF  [C1206]  160.93 60.76 0 top
C713  1000PF  [C0402]  15.37 130.71 270 top
C714  0.1UF  [C0402_BGA]  18.79 128.4 270 top
C715  0.1UF  [C0402_BGA]  14.86 128.93 180 top
C716  4.7UF  [C0805]  19.34 140.54 180 top
C717  1UF  [C0603]  20.37 138.76 270 bottom
C718  100UF  [C1206]  30.86 141.12 180 top
C719  100UF  [C1206]  30.86 138.84 180 top
C720  100UF  [C1206]  30.86 143.38 180 top
C721  100UF  [C1206]  30.86 136.55 180 top
C722  1000PF  [C0402]  16.89 128.93 180 top
C723  22UF  [C1206]  23.77 140.13 0 top
C724  22UF  [C1206]  23.77 144.71 0 top
C725  22UF  [C1206]  18.92 142.62 180 top
C726  22UF  [C1206]  18.92 144.91 180 top
C727  22UF  [C1206]  23.77 142.42 0 top
C728  1000PF  [C0402]  14.99 160.43 270 top
C729  0.1UF  [C0402_BGA]  18.29 158.14 270 top
C730  0.1UF  [C0402_BGA]  14.48 158.65 180 top
C731  4.7UF  [C0805]  18.96 170.26 180 top
C732  1UF  [C0603]  19.99 168.48 270 bottom
C733  100UF  [C1206]  30.48 168.55 180 top
C734  100UF  [C1206]  30.48 166.27 180 top
C735  100UF  [C1206]  30.48 170.84 180 top
C736  100UF  [C1206]  30.48 173.1 180 top
C737  1000PF  [C0402]  16.51 158.65 180 top
C738  22UF  [C1206]  23.39 169.85 0 top
C739  22UF  [C1206]  18.54 172.34 180 top
C740  22UF  [C1206]  18.54 174.63 180 top
C741  22UF  [C1206]  23.39 174.42 0 top
C742  22UF  [C1206]  23.39 172.14 0 top
C743  22uF  [C0603]  43.31 183.64 0 bottom
C744  22uF  [C0603]  43.31 183.64 0 top
C745  10nF  [C0402]  48.26 187.96 0 top
C746  22uF  [C0603]  46.35 183.64 180 top
C747  22uF  [C0603]  46.35 183.64 180 bottom
C748  22uF  [C0603]  161.93 86.49 90 top
C749  22uF  [C0603]  161.93 86.49 90 bottom
C750  10nF  [C0402]  157.61 91.44 90 top
C751  22uF  [C0603]  161.93 89.53 270 bottom
C752  22uF  [C0603]  161.93 89.53 270 top
C753  0.1UF  [C0402_BGA]  41.05 186.84 180 top
C754  0.1UF  [C0402_BGA]  158.72 84.23 270 top
C755  22uF  [C0603]  154.69 198.5 270 bottom
C756  22uF  [C0603]  154.69 198.5 270 top
C757  10nF  [C0402]  159 193.55 270 top
C758  22uF  [C0603]  154.69 195.45 90 bottom
C759  22uF  [C0603]  154.69 195.45 90 top
C760  0.1UF  [C0402_BGA]  157.89 200.76 90 top
C761  0.1UF  [C0402_BGA]  114.2 177.14 270 bottom
C762  10uF  [C0402]  115.21 176.5 180 top
C763  10uF  [C0402]  115.21 170.79 180 bottom
C764  10uF  [C0402]  115.21 170.79 180 top
C765  10nF  [C0402]  113.69 170.41 90 top
C766  10uF  [C0402]  54.86 186.94 0 bottom
C767  10uF  [C0402]  109.22 186.94 0 bottom
C768  0.1UF  [C0402_BGA]  54.86 187.96 0 bottom
C769  0.1UF  [C0402_BGA]  109.22 187.96 0 bottom
C770  10uF  [C0402]  68.45 186.94 0 bottom
C771  10uF  [C0402]  122.81 186.94 0 bottom
C772  0.1UF  [C0402_BGA]  129.77 218.57 90 bottom
C773  0.1UF  [C0402_BGA]  68.45 187.96 0 bottom
C774  0.1UF  [C0402_BGA]  122.81 187.96 0 bottom
C775  4.7UF  [C0805]  128.88 219.46 0 top
C776  10uF  [C0402]  82.04 186.94 0 bottom
C777  10uF  [C0402]  136.4 186.94 0 bottom
C778  0.1UF  [C0402_BGA]  82.04 187.96 0 bottom
C779  0.1UF  [C0402_BGA]  136.4 187.96 0 bottom
C780  4.7UF  [C0805]  129.01 226.06 0 top
